# Altium PCB PCB MODULE AM625.PcbDoc (part 4 of 4) (continued)
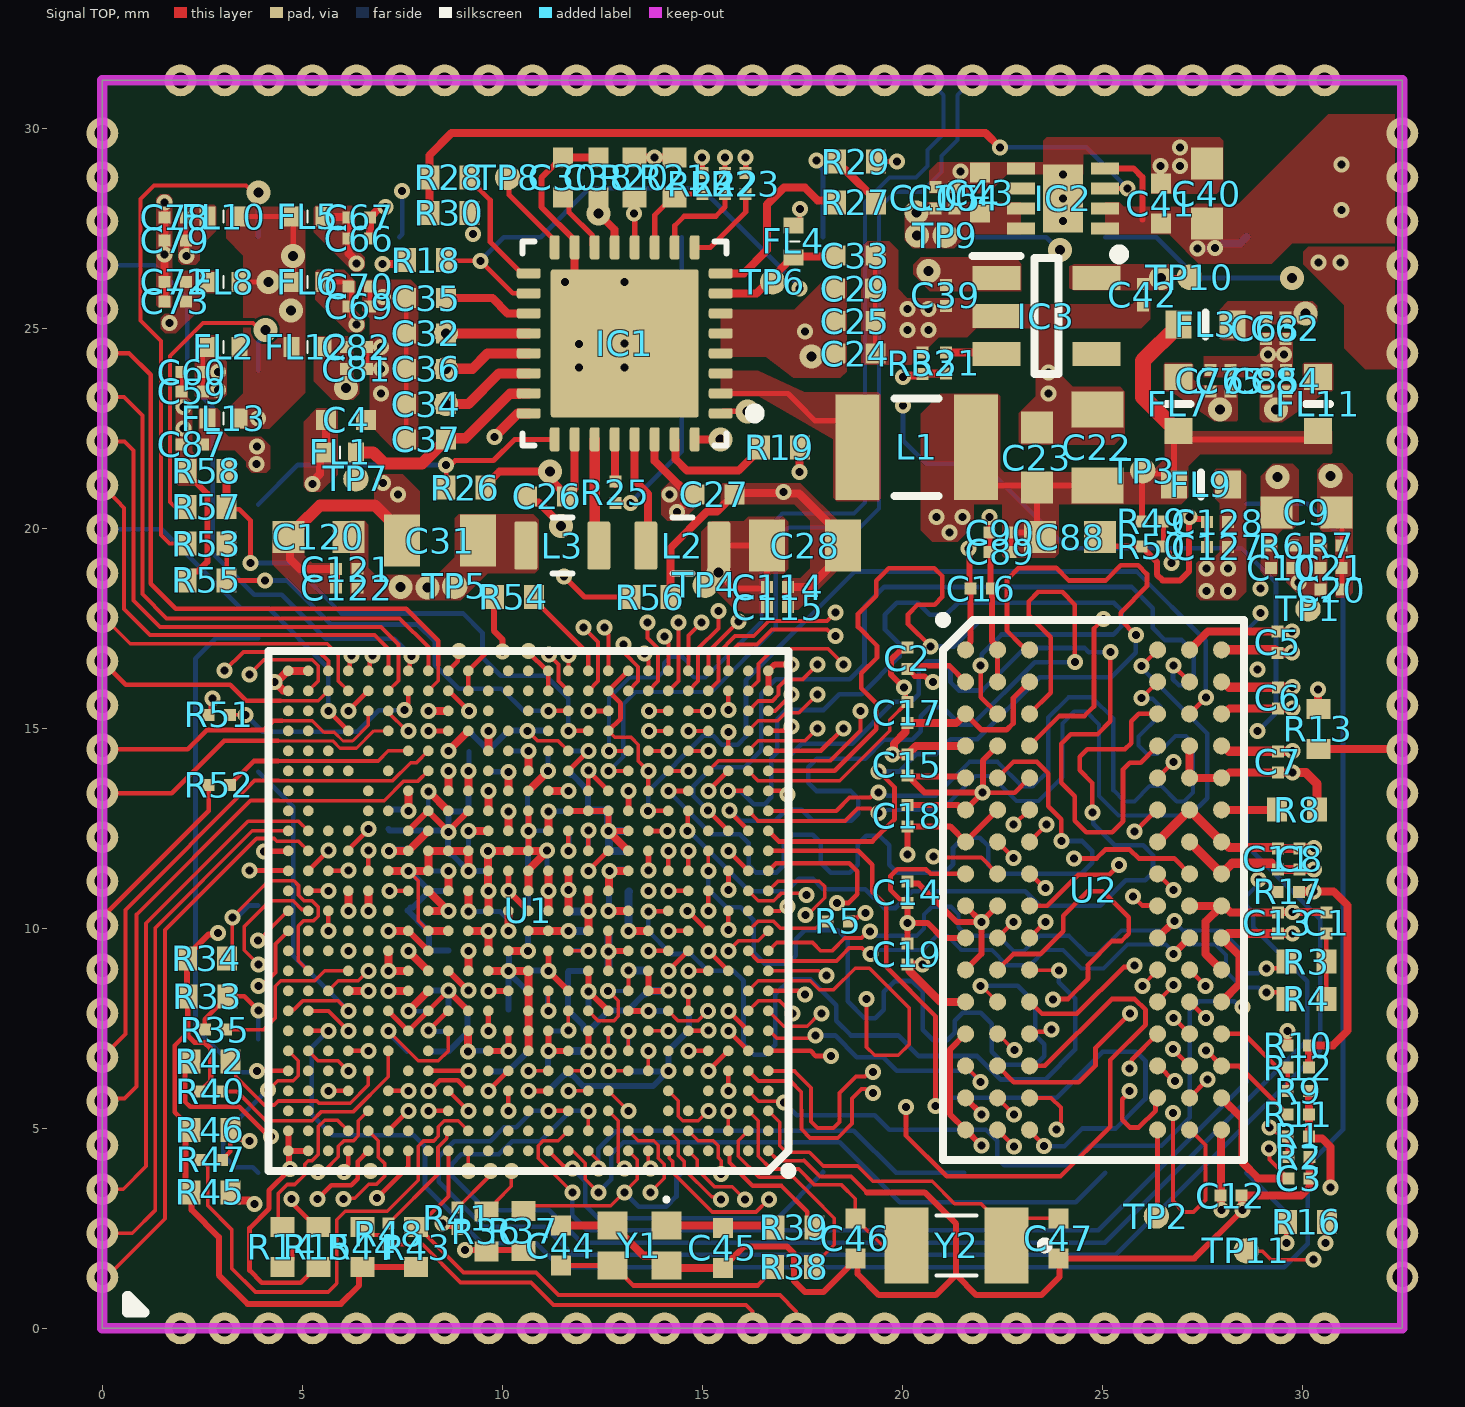
[diagram p0: Signal TOP view]
## Nets (pads, with @x,y where several pads share a name; then routed paths per layer and width w, separated by ;. In a path a pad name is that pad's centre, name@x,y a point inside that pad or via, vN(x,y) a via of type N, cw(c..) or ccw(c..) an arc to the next point about the centre after c; other vN are vias at no path point) (continued)
  Signal Bottom w0.13: C96.1@8.15,11.435 C96.1@8.18,11.435 8.647,11.435 v1(8.65,11.432) ; v1(9.65,13.429) 9.65,12.941 C99.1@9.665,12.926 ; v1(11.15,12.926) C98.1@11.63,12.926 ; v1(13.149,13.436) 13.149,12.986 C95.1@13.164,12.971
  Signal Bottom w0.15: v1(10.15,10.936) 10.158,10.945 10.158,11.424 C102.1@10.167,11.432 ; C92.1@10.634,8.951 10.642,8.943 11.142,8.943 v1(11.15,8.936) 11.157,8.943 11.157,9.398 C91.1@11.164,9.406 ; v1(12.65,10.436) 12.665,10.451 12.665,10.921 C101.1@12.679,10.936 ; v1(13.65,7.936) 13.652,7.938 14.133,7.938 C94.1@14.135,7.94
  Signal Bottom w0.2: v1(11.65,10.96) C93.1@11.65,11.436
  other v1: 21.176,19.89 20.856,20.287 21.506,20.28
VDD_1V2: C1.2 C5.2 C6.2 C7.2 C8.2 C9.1 C10.2 C11.2 C12.2 C13.2 C14.2 C15.2 C16.2 C17.2 C18.2 C31.2 C120.2 C121.1 C122.1 C123.1 C124.1 C125.1 IC1.24 L3.2 R1.2 R6.1 R9.1 R11.2 TP5.1 U1.K9 U1.L8 U1.M9 U1.P9 U1.R8 U2.A1 U2.A9 U2.B3 U2.B9 U2.C1 U2.D1 U2.D9 U2.F2 U2.F8 U2.G1 U2.G7 U2.G9 U2.J1 U2.J2 U2.J8 U2.J9 U2.L1 U2.L9 U2.R1 U2.T9 | length 43.8
  Signal TOP w0.13: U2.C1@21.581,15.361 21.981,14.961 22.607,14.961 22.774,15.128 22.774,15.755 U2.B3@23.181,16.161
  Signal TOP w0.15: U1.K9@12.65,8.936 v1(12.65,9.422) ; U1.M9@12.65,9.936 v1(12.65,9.422) ; U1.L8@13.15,9.436 13.143,9.429 12.656,9.429 v1(12.65,9.422) ; C14.2@20.13,11.165 20.175,11.12 20.403,11.12 21.365,10.158 v1(21.977,10.158) ; v1(20.134,11.844) v1(20.134,11.844) 20.132,12.545 C18.2@20.13,12.547 21.195,12.547 U2.G1@21.581,12.161 U2.F2@22.381,12.961 ; U2.R1@21.581,5.761 21.581,5.754 21.984,5.35 v1(21.984,5.342) ; U2.L1@21.581,8.961 21.977,9.357 v1(21.977,10.158) ; U2.J1@21.581,10.561 21.581,10.558 21.977,10.162 v1(21.977,10.158) ; U2.A1@21.581,16.961 21.581,17.036 21.708,17.164 C16.2@21.708,18.49 21.679,18.52 21.679,19.406 v1@21.65,19.436 ; U2.J2@22.381,10.561 v1(21.977,10.158)
  Signal TOP w0.2: U1.P9@12.65,10.936 12.662,10.948 12.662,11.423 v1(12.674,11.436) U1.R8@13.15,11.436 ; U2.D1@21.581,14.561 20.341,14.561 C15.2@20.13,14.35 v1(19.75,14.35) 19.788,14.388 19.788,14.613 20.08,14.905 20.08,15.078 C17.2@20.13,15.128 21.347,15.128 U2.C1@21.581,15.361 ; U2.J8@27.181,10.561 U2.J9@27.981,10.561 ; v1(27.975,2.953) 27.963,2.965 27.963,3.303 C12.2@27.952,3.314 27.966,3.329 27.966,4.947 U2.T9@27.981,4.961 ; U2.L9@27.981,8.961 27.584,9.358 27.584,10.164 U2.J9@27.981,10.561 ; R9.1@30.165,5.936 R11.2@30.165,5.342 R1.2@30.165,4.8 30.215,4.75 30.495,4.75 30.71,4.535 v1(30.71,3.525) ; C1.2@30.6,10.4 30.597,10.403 29.752,10.403 v1(29.75,10.406) 29.747,10.403 29.39,10.403 C13.2@29.387,10.4 28.203,10.4 28.042,10.561 U2.J9@27.981,10.561
  Signal TOP w0.23: U2.G7@26.381,12.161 U2.F8@27.181,12.961 U2.G9@27.981,12.161 28.034,12.161 28.175,12.02 29.366,12.02 C11.2@29.387,11.998 C8.2@29.935,11.998 ; U2.D9@27.981,14.561 28.034,14.561 28.17,14.425 C7.2@29.387,14.425 29.39,14.428 29.747,14.428 v1(29.75,14.431) ; U2.B9@27.981,16.161 28.034,16.161 28.17,16.025 C6.2@29.387,16.025 29.39,16.028 29.747,16.028 v1(29.75,16.031) ; U2.A9@27.981,16.961 29.311,16.961 C5.2@29.385,16.887 29.387,16.89 29.744,16.89 v1(29.747,16.893) ; C8.2@29.94,12.004 v1(30.297,12.004)
  Signal TOP w0.254: v1(9.802,22.288) 9.807,22.288 10.391,22.872 IC1.24@10.661,22.872
  Signal Bottom w0.2: C125.1@12.665,8.936 12.657,8.943 12.657,9.415 v1(12.65,9.422) 12.657,9.43 12.657,9.928 C123.1@12.665,9.936 ; v1(12.674,11.436) 12.682,11.443 13.157,11.443 C124.1@13.164,11.451
  other v1: 21.65,19.5
  other v2: 7.457,18.532 8.134,18.516 29.386,21.281
VDD_2V5: C37.1 FL1.2 IC1.23 TP7.1 | length 5.8
  Signal TOP w0.2: TP7.1@6.339,21.235 6.341,21.237 6.341,21.899 FL1.2@6.343,21.901
  Signal TOP w0.254: C37.1@8.597,22.222 8.628,22.253 9.079,22.253 10.192,23.366 10.435,23.366 10.44,23.37 10.659,23.37 IC1.23@10.661,23.372
  Signal TOP w0.3: FL1.2@6.343,21.901 6.767,21.901 7.046,21.622 7.997,21.622 C37.1@8.597,22.222
VDD_CANUART: C83.1 C84.1 C85.1 FL11.2 U1.F8 | length 31
  Signal TOP w0.09: U1.F8@13.15,6.936 v1(13.15,7.436)
  Signal RAM 2 w0.2: v1(28.883,16.471) 29.968,16.471 30.546,17.049 30.546,20.473 30.048,20.971 30.048,22.268 v2(29.344,22.972)
  Signal IO 2 w0.122: v1(13.15,7.436) 13.61,7.436 14.125,7.95 14.639,7.95 15.093,8.404
  Signal IO 2 w0.2: 15.093,8.404 15.513,8.824 16.034,8.824 16.253,9.044 16.253,10.381 17.166,11.294 21.1,11.294 21.461,11.654 21.461,14.029 22.17,14.737 27.149,14.737 v1(28.883,16.471)
  Signal Bottom w0.117: C83.1@13.15,6.94 v1(13.15,7.436)
VDD_LDO2: C35.1 IC1.19 | length 2.2
  Signal TOP w0.2: C35.1@8.597,25.754 9.752,25.754 10.134,25.372 IC1.19@10.661,25.372
VDDA1V8: C36.1 C126.1 FL2.2 FL5.2 FL6.2 FL8.2 FL10.2 FL12.2 FL13.2 IC1.21 U1.G7 U1.G16 U1.T9 | length 8.1
  Signal TOP w0.09: U1.G7@13.65,7.436 v1(14.15,7.436)
  Signal TOP w0.117: v1(12.15,11.436) U1.T9@12.65,11.936
  Signal TOP w0.13: FL8.2@3.435,26.161 v2(4.15,26.161) ; FL10.2@3.435,27.795 FL5.2@4.73,27.795 4.772,27.753 FL6.2@4.772,26.238
  Signal TOP w0.2: v1(9.145,6.924) 9.147,6.926 9.147,7.434 U1.G16@9.15,7.436
  Signal TOP w0.254: v2(8.597,23.988) 9.253,23.988 9.637,24.372 IC1.21@10.661,24.372
  Signal Bottom w0.13: v1(9.145,6.924) 9.158,6.937 9.651,6.937 C126.1@9.665,6.951
  other v1: 3.888,22.75
  other v2: 4.72,25.442 4.772,26.806
VDDA_1V8_CSIRX: C58.1 C59.1 C60.1 FL2.1 U1.W14 | length 2.9
  Signal TOP w0.117: C60.1@2.514,23.905 v1(2.896,23.904) ; FL2.1@2.635,24.535 2.513,24.414 C60.1@2.513,23.906 C59.1@2.513,23.424 2.529,23.44 2.88,23.44 v1(2.896,23.456)
  Signal TOP w0.2: U1.W14@10.15,13.436 v1(10.15,13.913)
  Signal Bottom w0.13: C58.1@9.665,13.921 9.672,13.913 v1(10.15,13.913)
VDDA_1V8_MCU: C77.1 C78.1 C79.1 FL10.1 U1.L11 | length 2.4
  Signal TOP w0.09: U1.L11@11.65,9.436 v1(12.15,9.436)
  Signal TOP w0.13: v1(2.109,26.804) 2.099,26.813 2.099,27.179 2.079,27.2 2.079,27.76 C78.1@2.09,27.771 2.492,27.771 FL10.1@2.516,27.795
  Signal Bottom w0.117: C77.1@11.65,9.451 11.657,9.443 12.142,9.443 v1(12.15,9.436)
VDDA_1V8_OLDI: C86.1 C87.1 FL13.1 U1.W9 U1.W10 | length 2
  Signal TOP w0.117: U1.W10@12.15,13.436 v1@12.149,13.942 ; v1(12.149,13.947) v1@12.149,13.942 ; U1.W9@12.65,13.436 12.65,13.442 v1@12.149,13.942
  Signal Bottom w0.117: v1(12.149,13.947) 12.149,13.944 C86.1@12.665,13.429
  other v1: 3.861,21.612 3.863,22.04
VDDA_1V8_USB: C68.1 C69.1 C70.1 FL6.1 U1.Y11 | length 2.9
  Signal TOP w0.13: FL6.1@5.65,26.161 6.233,26.161 6.233,25.55 6.237,25.546 6.237,25.293 6.357,25.173 v1(6.357,25.1) ; U1.Y11@11.65,13.936 v1(12.149,14.436)
  Signal Bottom w0.13: C68.1@11.63,14.443 11.637,14.436 v1(12.149,14.436)
VDDA_CORE_CSI: C74.1 C75.1 C76.1 FL7.2 U1.W13 | length 27.3
  Signal TOP w0.2: U1.W13@10.65,13.436 v1(11.142,13.928)
  Signal RAM 2 w0.1: v1(11.142,13.928) 13.002,15.788 16.066,15.788
  Signal RAM 2 w0.2: 16.066,15.788 16.327,15.788 16.76,16.221 19.318,16.221 19.751,16.654 20.896,16.654 21.387,16.163 27.838,16.163 29.456,17.781 29.456,20.338 27.938,21.856 v2(27.938,22.972)
  Signal Bottom w0.13: v1(11.142,13.928) 11.142,14.398 C74.1@11.164,14.421
VDDA_CORE_USB: C61.1 C62.1 C63.1 FL3.2 U1.W12 | length 33.4
  Signal TOP w0.2: U1.W12@11.15,13.436 v1(11.649,13.436)
  Signal RAM 2 w0.1: v1(11.649,13.436) 12.632,13.436 14.467,15.271 14.828,15.271 15.564,14.535
  Signal RAM 2 w0.102: 15.564,14.535 15.9,14.535 16.35,14.985
  Signal RAM 2 w0.2: 16.35,14.985 16.801,15.436 18.261,15.436 18.668,15.843 19.499,15.843 19.794,15.549 25.167,15.549 25.372,15.344 29.205,15.344 29.499,15.05 30.546,15.05 31.44,15.944 31.44,24.59 30.682,25.349 30.105,25.349 v2(30.082,25.372)
  Signal Bottom w0.13: C61.1@11.134,13.425 11.145,13.436 v1(11.649,13.436)
VDDA_PLL0: C65.1 C66.1 C67.1 FL5.1 U1.U11 | length 2.9
  Signal TOP w0.117: v1(11.65,11.926) U1.U11@11.65,12.436
  Signal TOP w0.2: FL5.1@5.53,27.795 5.542,27.783 6.148,27.783 C67.1@6.16,27.771 C66.1@6.16,27.243 6.16,26.868 6.357,26.671 v1(6.357,26.617)
  Signal Bottom w0.13: v1(11.65,11.926) 11.665,11.941 C65.1@11.664,12.441
VDDA_PLL1: C71.1 C72.1 C73.1 FL8.1 U1.U15 | length 1
  Signal TOP w0.2: v1(9.15,12.436) U1.U15@9.65,12.436
  Signal Bottom w0.13: v1(9.15,12.436) 9.157,12.428 9.157,11.928 C71.1@9.164,11.921
  other v1: 1.683,25.137
VDDA_PLL2: C80.1 C81.1 C82.1 FL12.1 U1.L14 | length 20.9
  Signal TOP w0.2: U1.L14@10.15,9.436 v1(10.648,9.436)
  Signal RAM 2 w0.2: v2(6.092,23.512) 6.546,23.058 6.546,18.092 7.277,17.361 7.277,16.014 7.113,15.85 7.113,12.754 8.139,11.727 8.139,8.28 8.45,7.969 9.914,7.969 10.648,8.703 v1(10.648,9.436)
  Signal Bottom w0.15: v1(10.648,9.436) C80.1@10.648,9.98
VDDA_SYS_MON: C57.1 R49.1 R50.2 U1.H10 | length 27.7
  Signal TOP w0.09: U1.H10@12.15,7.936 12.401,7.684 12.784,7.684 12.9,7.8 12.9,8.185 v1(12.647,8.439)
  Signal TOP w0.13: R50.2@26.507,19.55 R50.2@26.529,19.528 ; R49.1@26.507,20.172 26.529,20.15 R50.2@26.529,19.528 ; v1(26.732,19.129) 26.732,19.202 26.676,19.259 26.676,19.381 R50.2@26.529,19.528
  Signal IO 1 w0.122: v1(12.647,8.439) 12.647,8.929 13.004,9.287 13.004,9.579 12.806,9.777 12.806,10.112 13.113,10.419 13.113,11.912 14.019,12.819 14.771,12.819 15.148,12.441 20.242,12.441 20.611,12.81 20.611,13.939 21.212,14.54 26.553,14.54 27.191,15.179 27.191,17.218 26.732,17.677 v1(26.732,19.129)
  Signal Bottom w0.1: v1(12.647,8.439) 13.103,8.439 C57.1@13.134,8.47
VDDR_CORE: C127.1 C128.1 C129.1 C130.1 C131.1 C132.1 C133.1 C134.1 FL9.2 U1.J12 U1.K16 U1.N12 U1.N14 U1.P16 U1.R12 U1.T10 U1.U14 | length 8.5
  Signal TOP w0.09: v1(11.15,7.936) U1.J12@11.15,8.436
  Signal TOP w0.117: U1.T10@12.15,11.936 v1(12.15,12.441)
  Signal TOP w0.2: U1.K16@9.15,8.936 v1(9.15,9.436) ; v1(9.15,10.419) U1.P16@9.15,10.936 ; v1(10.15,9.936) U1.N14@10.15,10.436 ; U1.U14@10.15,12.436 v1(10.15,12.926) ; U1.N12@11.15,10.436 v1(11.15,10.936) U1.R12@11.15,11.436
  Signal Bottom w0.117: v1(9.15,10.419) 9.947,10.419 10.135,10.231 10.135,9.95 v1(10.15,9.936) ; C130.1@10.15,12.451 v1(10.15,12.926)
  Signal Bottom w0.13: C133.1@9.135,8.921 9.15,8.936 v1(9.15,9.436) ; v1(9.15,10.419) 9.165,10.434 C134.1@9.164,10.932 ; C132.1@11.134,8.466 11.135,7.951 v1(11.15,7.936) ; C129.1@11.134,10.4 v1@11.135,10.921 ; C131.1@12.149,11.926 v1(12.15,12.441)
  other v1: 27.6,18.436 28.137,18.436 27.6,18.996 28.14,18.996
VDDSHV_SDIO: C33.1 FL4.2 IC1.7 TP6.1 | length 3.3
  Signal TOP w0.2: IC1.7@15.461,25.872 16.354,25.872 16.643,26.161 TP6.1@16.76,26.161 16.76,26.278 17.125,26.643 17.125,26.672 17.225,26.772 FL4.2@17.275,26.772 17.298,26.795 18.303,26.795 C33.1@18.326,26.818
VPP_1V8: C42.1 C135.1 IC3.5 TP10.1 U1.J8 | length 31.8
  Signal TOP w0.1: U1.J8@13.15,8.436 v1(13.15,8.951)
  Signal TOP w0.13: v2(26.464,26.256) 26.475,26.267 27.169,26.267 TP10.1@27.181,26.278
  Signal RAM 2 w0.2: v2(26.464,26.256) 26.464,22.41 28.954,19.92 v1(28.954,18.489)
  Signal IO 2 w0.122: v1(13.15,8.951) 13.15,9.434 14.69,10.974 14.69,11.475 15.696,12.481 15.909,12.481
  Signal IO 2 w0.2: 15.909,12.481 16.758,12.481 19.951,12.481 20.367,12.897 20.367,13.911 21.806,15.35 26.299,15.35 27.839,16.889 27.839,17.331 28.954,18.446 v1(28.954,18.489)
  Signal Bottom w0.2: v1(13.15,8.951) C135.1@13.655,8.951
VPP_LDO_EN: R31.1 R32.1 U1.F24 | length 36.5
  Signal TOP w0.09: U1.F24@5.15,6.936 5.401,6.684 5.901,6.684 v1(6.15,6.436)
  Signal TOP w0.2: v1(20.019,23.78) 20.058,23.818 20.458,23.818 R32.1@20.5,23.861 20.504,23.865 21.085,23.865 R31.1@21.09,23.87
  Signal RAM 1 w0.102: v1(6.15,6.436) 4.7,7.886 4.7,19.556 7.811,22.667 7.811,25.161 8.3,25.65 18.82,25.65 20.019,24.451 v1(20.019,23.78)
VSEL_SD_SOC: IC1.12 R20.1 U1.C17 | length 42.2
  Signal TOP w0.117: v1(8.15,5.436) U1.C17@8.65,5.436
  Signal TOP w0.13: IC1.12@13.311,27.022 13.311,28.232 R20.1@13.35,28.271
  Signal RAM 1 w0.102: v1(8.15,5.436) 8.216,5.436 8.497,5.717 8.497,6.128 8.038,6.586 7.271,6.586 6.177,5.492 3.307,5.492 2.094,6.704 2.094,19.129 5.602,22.637 5.602,27.752 7.121,29.271 12.901,29.271 13.297,28.875 v1(13.297,27.875)
WKUP_CLKOUT0: PIN1.126 U1.A12 | length 8.4
  Signal TOP w0.1: U1.A12@11.15,4.436 11.528,4.057 11.693,4.057 v1(11.75,4)
  Signal Bottom w0.117: v1(11.75,4) 12.077,3.673 12.077,3.073 12.4,2.75 16.881,2.75 PIN1.126@18.016,3.885 PIN1.126@18.016,3.906
pads on no net: IC2.6 IC3.4 U1.A2 U1.A4 U1.A9 U1.A13 U1.A14 U1.A15 U1.A18 U1.A20 U1.A23 U1.AA12 U1.AA14 U1.AA21 U1.AA23 U1.AA24 U1.AA25 U1.AB12 U1.AB14 U1.AB24 U1.AB25 U1.AC13 U1.AC15 U1.AC24 U1.AC25 U1.AD13 U1.AD14 U1.AD15 U1.AE2 U1.AE13 U1.AE14 U1.AE15 U1.B1 U1.B4 U1.B7 U1.B9 U1.B12 U1.B13 U1.B14 U1.B15 U1.B18 U1.B19 U1.B23 U1.B24 U1.C5 U1.C6 U1.C13 U1.C15 U1.C20 U1.C24 U1.C25 U1.D1 U1.D4 U1.D24 U1.D25 U1.E5 U1.E15 U1.E19 U1.E23 U1.E24 U1.F6 U1.F18 U1.F23 U1.G21 U1.G25 U1.H21 U1.J3 U1.J4 U1.J24 U1.J25 U1.K2 U1.K25 U1.L21 U1.L23 U1.L24 U1.L25 U1.M21 U1.M22 U1.M24 U1.N2 U1.N20 U1.P25 U1.T2 U1.U4 U1.U22 U1.U23 U1.V20 U1.V21 U1.V24 U1.V25 U1.W21 U1.W24 U1.W25 U1.Y15 U1.Y20 U1.Y22 U1.Y23 U1.Y24 U1.Y25
copper on no net:
  other v1: 6.15,9.436

## Polygon pours and split planes (outlines as drawn)
VCC_CORE on Signal RAM 1 "VCC_CORE_L03_P027" (solid, pour order 27): 15.727,23.103 15.727,23.512 16.683,23.512 17.594,22.6 20.601,22.6 21.753,21.447 21.759,18.23 21.127,17.599 18.679,17.599 13.884,12.804 12.962,11.886 12.962,8.871 13.873,8.021 13.873,7.852 13.551,7.576 8.992,7.576 8.011,8.557 8.011,13.841 10.694,16.525 15.081,16.525 17.735,19.179 17.735,21.708 16.845,21.708 15.727,22.826
VCC_1V8 on Signal RAM 1 "VCC_1V8_L03_P026" (solid, pour order 26): 8.368,25.275 10.371,25.275 12.774,22.872 15.329,22.872 16.228,21.973 16.228,18.283 15.61,17.665 10.8,17.665 7.732,14.597 7.732,8.543 8.925,7.35 13.429,7.35 13.975,7.854 13.975,8 13.2,8.894 13.2,11.442 13.459,11.701 14.399,11.701 14.801,11.299 14.801,7.308 13.429,5.936 9.022,5.936 5.702,9.255 5.697,15.922 9.125,19.35 14.368,19.35 14.825,19.807 14.825,21.136 14.548,21.413 12.512,21.413 9.427,24.498 8.354,24.498 8.151,24.701 8.151,25.058
VDD_1V2 on POWER 2 "VDD_1V2_L07_P004" (solid, remove dead copper, pour order 4): 30.452,1.308 13.612,1.308 12.6,2.32 12.6,16.187 11.687,17.1 7.434,17.1 7.025,17.509 7.025,21.658 7.88,22.513 10.238,22.513 13.027,19.725 26.853,19.725 29.153,22.025 30.8,22.025 31.087,21.738 31.087,1.943
VCC_3V3_SYS on POWER 2 "VCC_3V3_SYS_L07_P029" (solid, pour order 29): 12.253,2.729 12.253,13.172 10.775,14.65 4.145,14.65 3.4,15.395 3.399,22.774 5.075,24.45 10.038,24.45 13.575,20.914 17.805,20.914 19.105,22.214 19.105,25.475 21.019,27.39 21.019,29.231 20.564,29.686 3.65,29.686 0.95,26.986 0.95,3.377 3.027,1.3 10.824,1.3
VDDA_1V8_OLDI on POWER 2 "VDDA_1V8_OLDI_L07_P081" (solid, pour order 81): 12.375,13.723 12.315,13.664 12.034,13.664 10.191,15.506 4.65,15.506 4.266,15.89 4.266,19.38 3.635,20.011 3.635,22.112 3.811,22.288 4.36,22.288 4.998,21.651 4.998,17.019 5.766,16.251 11.21,16.251 12.375,15.086
GND on POWER 1 "GND_L04_P045" (solid, pour order 45): 14.625,16.035 17.714,19.125 29.775,19.125 31.6,17.3 31.6,3.85 30.275,2.525 17.075,2.525 14.625,4.975
VDDA_1V8_CSIRX on POWER 1 "VDDA_1V8_CSIRX_L04_P028" (solid, pour order 28): 10.55,14.558 10.55,13.761 10.311,13.523 9.958,13.523 9.653,13.827 7.73,15.75 6.706,15.75 2.45,20.006 2.45,24.016 2.571,24.137 3.077,24.137 3.25,23.964 3.25,21.859
VDDA1V8 on POWER 1 "VDDA1V8_L04_P032" (solid, pour order 32): 14.225,7.052 14.225,15.69 7.933,21.982 7.933,23.435 8.15,23.652 8.858,23.652 9.017,23.811 9.017,25.34 6.927,27.431 4.181,27.431 3.401,26.651 3.401,22.599 10.801,15.199 10.799,9.569 8.837,7.607 8.837,6.913 9.25,6.5 13.673,6.5
VCC_3V3_MAIN on POWER 1 "VCC_3V3_MAIN_L04_P034" (solid, pour order 34): 32.5,30.175 11.177,30.175 9.25,28.247 9.25,23.625 9.06,23.435 8.36,23.435 8.16,23.235 8.16,22.889 8.272,22.777 11.099,19.95 22.515,19.95 29.848,27.283 32.5,27.283
VDDA_PLL1 on POWER 1 "VDDA_PLL1_L04_P019" (solid, pour order 19): 9.64,12.261 9.315,11.936 7.864,11.936 0.85,18.95 0.85,25.3 1.048,25.498 1.833,25.498 2.057,25.275 2.057,19.364 7.489,13.932 8.563,13.932 9.64,12.855
VDDA_1V8_MCU on Signal IO 1 "VDDA_1V8_MCU_L05_P025" (solid, pour order 25): 2.068,27.052 1.683,26.668 1.683,17.789 10.736,8.736 12.096,8.736 12.384,9.024 12.384,9.955 12.16,10.179 11.63,10.179 2.857,18.952 2.857,26.679 2.484,27.052
VDDA_1V8_USB on Signal IO 1 "VDDA_1V8_USB_L05_P073" (solid, pour order 73): 7.73,25.325 6.159,25.325 6.073,25.239 6.073,24.955 6.19,24.838 7.234,24.838 7.455,24.617 7.455,19.76 9.251,17.964 9.251,16.289 11.329,14.211 12.295,14.211 12.384,14.3 12.384,14.831 11.082,16.133 9.957,16.133 9.7,16.39 9.7,18.281 8.001,19.98 8.001,25.054
VDDA_PLL0 on Signal IO 1 "VDDA_PLL0_L05_P024" (solid, pour order 24): 6.489,26.866 6.21,26.866 6.032,26.687 5.422,26.078 5.422,17.352 11.212,11.562 11.968,11.562 12.15,11.743 12.15,13.064 5.803,19.41 5.803,25.713 6.65,26.559 6.649,26.705
GND on Signal TOP (solid, pour order 101): 30.025,26.597 30.025,26.915 30.143,27.033 32.697,27.033 32.705,23.975 31.575,23.975 31.05,24.5 31.05,25.572 30.25,26.372
VCC_3V3_MAIN on Signal TOP "VCC_3V3_MAIN_L01_P093" (solid, pour order 93): 30.65,30.35 28.414,28.114 27.353,28.114 27.091,27.851 27.091,26.932 27.406,26.617 29.241,26.617 29.75,27.126 32.5,27.126 32.5,30.35
GND on Signal TOP "GND_L01_P072" (solid, pour order 72): 7.893,22.19 7.893,26.03 7.709,26.214 6.553,26.214 6.5,26.161 6.5,25.436 6.68,25.256 6.68,22.585 7.174,22.092 7.294,21.972 7.857,21.972 7.893,22.023
DDR_VPP on Signal TOP "DDR_VPP_L01_P092" (solid, pour order 92): 5.362,23 5.817,23 5.88,22.936 5.88,21.342 5.452,20.914 5.151,20.914 5.032,21.037 5.032,22.668
VDDA_PLL2 on Signal TOP "VDDA_PLL2_L01_P091" (solid, pour order 91): 5.325,24.804 6.152,24.804 6.277,24.678 6.277,23.797 6.426,23.649 6.426,23.365 6.27,23.209 5.751,23.209 5.286,23.673 5.286,24.765
VDDA1V8 on Signal TOP "VDDA1V8_L01_P079" (solid, pour order 79): 3.2,28.042 4.949,28.042 5.078,27.912 5.078,23.387 4.176,22.486 3.241,22.486 3.2,22.526 3.2,23.046 3.525,23.371 3.525,26.818 3.094,27.249 3.094,27.936
VDDA_1V8_USB on Signal TOP "VDDA_1V8_USB_L01_P090" (solid, pour order 90): 5.35,26.436 5.379,26.465 6.043,26.465 6.342,26.166 6.342,25.434 6.426,25.35 6.559,25.217 6.559,24.983 6.475,24.898 6.143,24.898 5.327,25.715 5.327,26.415
VDDA_PLL0 on Signal TOP "VDDA_PLL0_L01_P089" (solid, pour order 89): 5.336,28.067 6.233,28.067 6.331,27.97 6.331,27.002 6.561,26.772 6.561,26.526 6.454,26.419 6.269,26.419 5.286,27.401 5.286,28.017
VDDA_PLL1 on Signal TOP "VDDA_PLL1_L01_P088" (solid, pour order 88): 2.911,26.372 2.82,26.436 2.017,26.436 1.906,26.322 1.906,25.547 1.723,25.364 1.566,25.364 1.463,25.261 1.463,24.987 1.575,24.875 1.84,24.875 2.433,25.468 2.433,25.73 2.582,25.879 2.845,25.879 2.911,25.945
GND on Signal TOP "GND_L01_P086" (solid, pour order 86): 1.66,28.354 1.754,28.249 1.754,25.564 1.708,25.518 1.413,25.518 1.35,25.58 1.35,28.253 1.451,28.354
VDDA_1V8_MCU on Signal TOP "VDDA_1V8_MCU_L01_P085" (solid, pour order 85): 2.799,28.092 2.011,28.092 1.902,27.982 1.902,26.675 1.992,26.585 2.331,26.585 2.441,26.695 2.441,27.032 2.848,27.439 2.848,28.043
GND on Signal TOP "GND_L01_P084" (solid, pour order 84): 2.31,21.068 2.363,21.122 2.363,21.804 2.244,21.923 2.244,23.165 2.134,23.275 2.134,24.054 1.834,24.055 1.834,21.141 1.906,21.068
VDDA_1V8_OLDI on Signal TOP "VDDA_1V8_OLDI_L01_P082" (solid, pour order 82): 2.415,23 2.873,23 2.948,22.925 2.948,22.501 3.161,22.288 3.968,22.288 4.197,22.059 4.197,21.487 4.105,21.395 3.741,21.395 3.602,21.534 3.602,21.666 3.317,21.951 2.415,21.951
VDDA_1V8_CSIRX on Signal TOP "VDDA_1V8_CSIRX_L01_P078" (solid, pour order 78): 2.395,24.824 2.31,24.739 2.31,23.316 2.402,23.224 3.001,23.224 3.113,23.336 3.113,24.162 2.895,24.38 2.895,24.76 2.827,24.828
GND on Signal TOP "GND_L01_P077" (solid, pour order 77): 4.99,19.627 5.051,19.627 5.051,19.325 5.249,19.128 5.847,19.128 5.847,18.365 4.987,18.365 4.251,19.1 4.251,19.627 4.924,19.627
GND on Signal TOP "GND_L01_P076" (solid, pour order 76): 7.941,20.928 7.516,21.353 6.911,21.353 6.801,21.242 6.801,20.585 7.407,19.979 7.922,19.979 7.941,19.998
VDD_1V2 on Signal TOP "VDD_1V2_L01_P075" (solid, pour order 75): 10.908,18.979 10.808,18.879 9.641,18.879 8.962,18.2 6.312,18.2 6.197,18.315 6.197,20.15 6.23,20.183 6.557,20.183 6.647,20.093 6.647,19.012 6.824,18.835 8.374,18.835 8.81,19.272 8.81,20.247 8.913,20.35 10.769,20.35 10.908,20.211
VCC_3V3_MAIN on Signal TOP "VCC_3V3_MAIN_L01_P074" (solid, pour order 74): 14.915,20.73 14.915,20.602 14.496,20.183 14.129,20.183 13.968,20.344 13.968,20.947 14.196,21.175 14.479,21.175
VCC_1V8 on Signal TOP "VCC_1V8_L01_P070" (solid, pour order 70): 16.031,20.172 16.146,20.287 17.029,20.287 17.153,20.163 17.153,18.984 17.033,18.864 16.728,18.864 16.617,18.753 16.617,17.879 15.899,17.879 14.975,18.803 14.975,19.912 15.235,20.172
GND on Signal TOP "GND_L01_P069" (solid, pour order 69): 15.514,21.126 17.454,21.126 18.521,20.059 18.521,19.09 17.393,17.961 17.024,17.961 16.998,17.988 16.998,18.682 17.069,18.753 17.453,18.753 17.696,18.996 17.696,20.195 17.296,20.595 15.515,20.595 15.462,20.648 15.462,21.075
VCC_CORE on Signal TOP "VCC_CORE_L01_P066" (solid, pour order 66): 21.784,20.063 21.39,19.669 20.745,19.669 20.458,19.957 20.458,22.869 20.954,23.366 21.827,23.366 21.784,23.322
VCC_CORE on Signal TOP "VCC_CORE_L01_P065" (solid, pour order 65): 23.906,20.595 23.906,19.359 23.806,19.259 22.553,19.259 22.499,19.312 22.499,20.595
GND on Signal TOP "GND_L01_P064" (solid, pour order 64): 23.341,25.004 23.341,23.3 22.913,22.872 22.913,22.153 22.983,22.084 25.304,22.084 25.567,22.346 25.567,23.414 25.445,23.536 24.259,23.536 23.91,23.884 23.91,25.004
GND on Signal TOP "GND_L01_P063" (solid, pour order 63): 20.225,24.09 19.02,24.09 18.975,24.135 18.975,27.033 19.118,27.176 19.678,27.176 19.899,26.955 19.899,25.985 20.13,25.754 20.92,25.754 20.92,24.785
VDD_CANUART on Signal TOP "VDD_CANUART_L01_P042" (solid, remove dead copper, pour order 42): 28.938,23.557 28.984,23.603 29.944,23.603 30.014,23.673 30.014,24.097 30.052,24.135 30.734,24.135 30.776,24.093 30.776,23.462 30.736,23.422 30.637,23.422 29.502,22.651 29.011,22.651 28.938,22.725
VDDR_CORE on Signal TOP "VDDR_CORE_L01_P062" (solid, pour order 62): 27.938,20.622 27.938,19.408 27.729,19.199 27.43,19.199 27.353,19.123 27.353,18.295 27.448,18.2 28.389,18.2 28.6,18.411 28.6,21.337 28.443,21.495 27.847,21.494 27.782,21.429 27.783,20.776
GND on Signal TOP "GND_L01_P060" (solid, pour order 60): 31.265,18.384 31.265,21.353 30.995,21.623 30.525,21.623 30.369,21.466 30.369,20.061 30.512,19.918 30.757,19.918 30.823,19.852 30.823,18.3 30.859,18.264 31.144,18.264
DDR_VREFCA on Signal TOP "DDR_VREFCA_L01_P058" (solid, pour order 58): 29.599,19.72 29.681,19.802 30.526,19.802 30.618,19.71 30.618,18.317 30.589,18.288 29.965,18.288 29.599,18.653
VDD_1V2 on Signal TOP "VDD_1V2_L01_P057" (solid, pour order 57): 29.266,21.612 28.957,21.304 28.957,18.91 29.061,18.807 29.33,18.807 29.387,18.864 29.387,19.857 29.509,19.979 29.767,19.979 29.915,20.128 29.915,21.465 29.767,21.612
GND on Signal TOP "GND_L01_P056" (solid, pour order 56): 26.194,25.698 26.194,25.231 25.968,25.004 21.853,25.004 21.624,24.775 20.911,24.775 20.911,25.744 20.92,25.754 21.709,25.754 21.859,25.604 25.744,25.604 25.864,25.724 26.169,25.724
VCC_3V3_MAIN on Signal TOP "VCC_3V3_MAIN_L01_P055" (solid, pour order 55): 22.97,25.93 20.685,25.93 20.27,26.345 20.27,26.585 20.458,26.772 22.848,26.772 22.97,26.606 22.97,26.329 22.97,26.05
VCC_CORE on Signal TOP "VCC_CORE_L01_P054" (solid, pour order 54): 21.269,23.366 22.386,23.366 22.445,23.306 22.445,21.505 22.553,21.397 26.224,21.397 26.565,21.737 26.565,22.43 30.748,22.43 30.748,21.889 30.71,21.851 27.444,21.851 27.15,21.557 27.15,20.772 26.973,20.595 21.344,20.595 21.176,20.763 21.176,23.272
NetIC1_2 on Signal TOP "NETIC1_2_L01_P053" (solid, pour order 53): 15.459,23.943 16.395,23.943 17.561,23.4 19.399,23.4 19.464,23.335 19.464,20.736 19.406,20.678 18.356,20.678 18.272,20.762 18.272,22.226 16.411,23.307 15.458,23.307
VCC_3V3_MAIN on Signal TOP "VCC_3V3_MAIN_L01_P052" (solid, pour order 52): 15.461,25.465 17.296,25.468 18.068,26.24 18.581,26.24 18.607,26.214 18.607,23.918 18.449,23.76 17.275,23.76 16.58,24.285 15.461,24.285
GND on Signal TOP "GND_L01_P050" (solid, pour order 50): 27.857,28.364 28.019,28.526 28.019,29.694 27.936,29.777 23.606,29.777 23.522,29.693 23.522,29.098 24.52,29.098 24.52,29.353 26.218,29.355 26.218,28.368
GND on Signal TOP "GND_L01_P048" (solid, pour order 48): 20.675,28.377 22.151,28.376 22.622,28.847 24.519,28.847 24.519,29.148 20.892,29.15 20.675,28.934
VCC_3V3_SYS on Signal TOP "VCC_3V3_SYS_L01_P047" (solid, pour order 47): 22.97,28.149 20.184,28.149 20.064,28.029 20.064,27.205 20.267,27.002 21.304,27.002 21.652,27.35 22.966,27.35 22.964,27.352 22.964,28.15
VCC_3V3_MAIN on Signal TOP "VCC_3V3_MAIN_L01_P046" (solid, pour order 46): 28.037,28.033 26.373,28.033 25.542,28.033 25.425,28.15 25.07,28.15 25.07,27.353 26.673,27.35 27.251,26.772 28.059,26.772 28.059,28.011
VDDA_CORE_CSI on Signal TOP "VDDA_CORE_CSI_L01_P043" (solid, pour order 43): 27.223,24.135 27.274,24.084 27.274,23.724 27.418,23.58 28.341,23.584 28.389,23.536 28.389,22.712 28.355,22.678 27.794,22.678 26.712,23.429 26.575,23.429 26.537,23.467 26.537,24.09 26.556,24.119 26.565,24.133 26.597,24.133
GND on Signal TOP "GND_L01_P041" (solid, pour order 41): 29.765,24.898 29.767,23.78 27.542,23.78 27.542,24.3 28.844,24.3 28.938,24.394 28.938,24.898
VDDA_CORE_USB on Signal TOP "VDDA_CORE_USB_L01_P037" (solid, pour order 37): 30.262,25.672 28.14,25.672 27.938,25.469 27.938,24.735 28.006,24.701 28.59,24.701 28.989,25.1 30.296,25.1 30.373,25.177 30.373,25.56
VPP_1V8 on Signal TOP "VPP_1V8_L01_P036" (solid, pour order 36): 24.283,26.606 26.712,26.606 26.798,26.52 26.798,26.086 26.661,25.949 24.283,25.949 24.18,26 24.18,26.556
GND on Signal RAM 2 (solid, pour order 95): 8.05,20.55 9.85,18.75 13.45,18.75 13.45,18.777 16.962,22.288 21.138,22.288 22.975,24.125 22.975,29.675 22.475,30.175 9.302,30.175 8.05,28.923
VDDR_CORE on Signal RAM 2 "VDDR_CORE_L08_P061" (solid, pour order 61): 17.743,19.2 16.268,17.725 10.75,17.725 8.679,15.654 8.679,9.039 10.292,7.426 11.376,7.426 12.4,8.45 12.392,12.49 11.329,13.553 11.329,14.571 12.754,15.997 15.997,15.997 17.225,17.225 27.413,17.225 28.6,18.412 28.6,19.534 28.214,19.9 26.764,19.9 26.064,19.2
GND on Signal Bottom (solid, pour order 99): 28.05,23.4 27.675,23.775 27.675,24.675 27.9,24.9 30.35,24.9 30.625,25.175 30.625,25.978 30.025,26.578 30.025,26.9 30.15,27.025 32.5,27.025 32.5,23.988 31.238,23.988 30.65,23.4
VCC_3V3_MAIN on Signal Bottom "VCC_3V3_MAIN_L10_P067" (solid, pour order 67): 31.546,30.35 30.719,29.523 27.947,29.523 27.091,28.667 27.091,26.93 27.404,26.617 29.241,26.617 29.903,27.279 32.5,27.279 32.5,30.35
GND on Ground Plane 1 (GND) (split plane): 31.99,0.51 0.51,0.51 0.51,30.69 31.99,30.69
GND on Ground Plane 2 (GND) (split plane): 31.99,0.51 0.51,0.51 0.51,30.69 31.99,30.69

## Keep-outs
Keep-Out Layer:
  lines w0.254: 32.5,31.2 0,31.2 0,0 32.5,0 32.5,31.2 ; 32.5,31.2 32.5,31.2

## Silkscreen, mask and mechanical layers (free items; w line width, h text height)
Top Overlay:
  lines w0.254: 0.625,0.4 1.05,0.4 0.65,0.8 0.625,0.8 0.625,0.4 ; 0.625,0.4 0.625,0.4